# KiCad board STM32.kicad_pcb
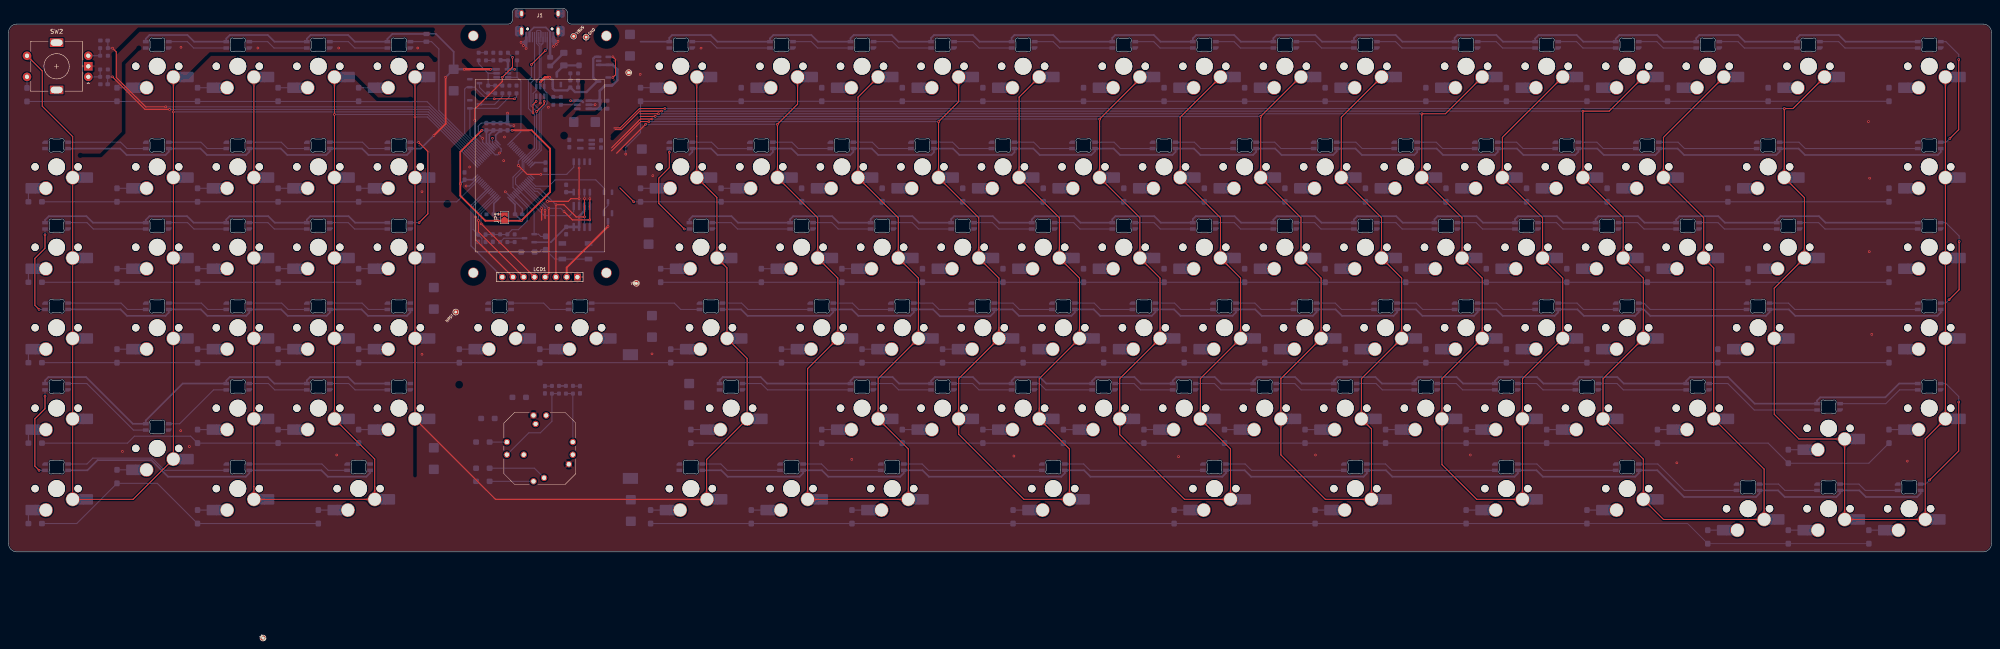
[diagram p0: board, top side]
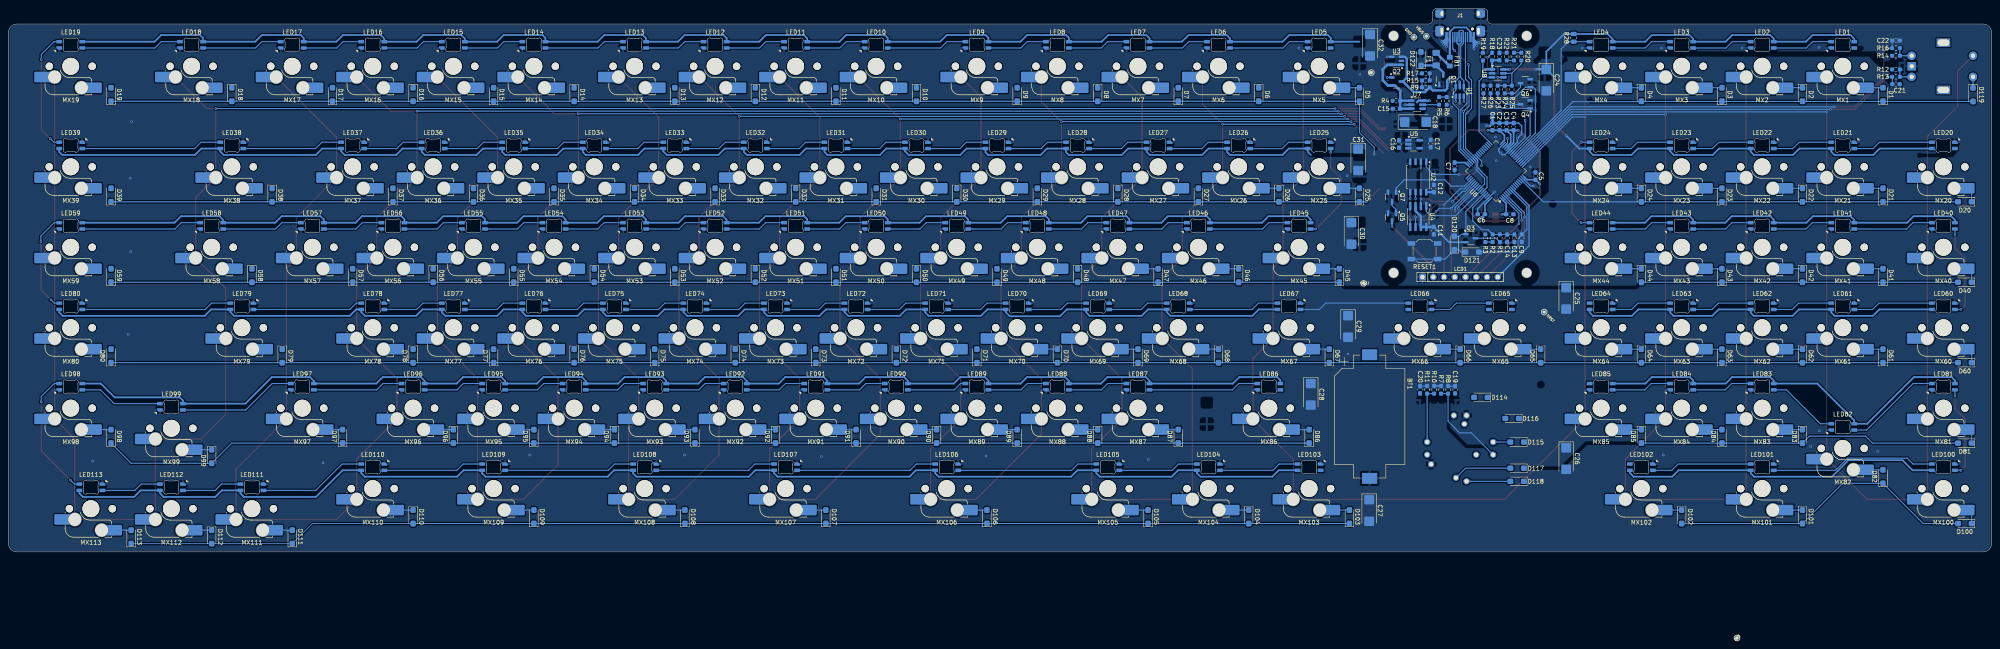
[diagram p1: board, bottom side, seen from below]

Outline 469.03 x 128.7 mm; copper layers: Top, Bottom. Coordinates in mm from the lower left corner of the outline.
Outline path: 0,123 0,2 arc(0.59,0.59) 2,0 467.03,0 arc(468.44,0.59) 469.03,2 469.03,123 arc(468.44,124.41) 467.03,125 133.18,125 arc(132.47,125.29) 132.18,126 132.18,127.7 arc(131.89,128.41) 131.18,128.7 120.18,128.7 arc(119.47,128.41) 119.18,127.7 119.18,126 arc(118.89,125.29) 118.18,125 2,125 arc(0.59,124.41) 0,123
Stack: Top 0.035mm / dielectric 1.51mm FR4 er 4.5 / Bottom 0.035mm

## Placement (name value [footprint] x y rotation side)
BT1  Battery_Cell  [BatteryHolder_Keystone_1060_1x2032]  147.1 32.05 270 bottom
C1  4.7u  [C_0603_1608Metric_Pad1.08x0.95mm_HandSolder]  118.04 100.7 90 bottom
C2  100n  [C_0603_1608Metric_Pad1.08x0.95mm_HandSolder]  116.37 100.7 90 bottom
C3  100n  [C_0603_1608Metric_Pad1.08x0.95mm_HandSolder]  114.71 100.7 90 bottom
C4  100n  [C_0603_1608Metric_Pad1.08x0.95mm_HandSolder]  113.04 100.7 90 bottom
C5  100n  [C_0603_1608Metric_Pad1.08x0.95mm_HandSolder]  107.88 89 90 bottom
C6  100n  [C_0603_1608Metric_Pad1.08x0.95mm_HandSolder]  120.68 79.95 0 bottom
C7  100n  [C_0603_1608Metric_Pad1.08x0.95mm_HandSolder]  127 91.34 270 bottom
C8  100n  [C_0603_1608Metric_Pad1.08x0.95mm_HandSolder]  113.93 79.95 180 bottom
C9  100n  [C_0603_1608Metric_Pad1.08x0.95mm_HandSolder]  111.1 74.29 90 bottom
C11  100n  [C_0603_1608Metric_Pad1.08x0.95mm_HandSolder]  131.9 76.09 270 bottom
C12  100n  [C_0603_1608Metric_Pad1.08x0.95mm_HandSolder]  131.9 86.07 90 bottom
C13  100n  [C_0603_1608Metric_Pad1.08x0.95mm_HandSolder]  112.84 74.29 90 bottom
C14  100n  [C_0603_1608Metric_Pad1.08x0.95mm_HandSolder]  114.56 74.29 90 bottom
C15  4.7u  [C_0603_1608Metric_Pad1.08x0.95mm_HandSolder]  140.75 104.95 0 bottom
C16  4.7u  [C_0603_1608Metric_Pad1.08x0.95mm_HandSolder]  140.15 96.6 90 bottom
C17  4.7u  [C_0603_1608Metric_Pad1.08x0.95mm_HandSolder]  132.65 96.7 270 bottom
C18  100u  [CP_EIA-6032-15_Kemet-U_Pad2.25x2.35mm_HandSolder]  136.25 101.8 180 bottom
C19  100n  [C_0603_1608Metric_Pad1.08x0.95mm_HandSolder]  126.88 38.39 90 bottom
C20  100n  [C_0603_1608Metric_Pad1.08x0.95mm_HandSolder]  135.17 38.4 90 bottom
C21  100nF  [C_0603_1608Metric_Pad1.08x0.95mm_HandSolder]  22.6 110.75 0 bottom
C22  100n  [C_0603_1608Metric_Pad1.08x0.95mm_HandSolder]  22.6 121.1 0 bottom
C23  100n  [C_0603_1608Metric_Pad1.08x0.95mm_HandSolder]  116.4 117.3 90 bottom
C24  100u  [CP_EIA-6032-15_Kemet-U_Pad2.25x2.35mm_HandSolder]  105.3 111.75 270 bottom
C25  100u  [CP_EIA-6032-15_Kemet-U_Pad2.25x2.35mm_HandSolder]  100.6 60.05 270 bottom
C26  100u  [CP_EIA-6032-15_Kemet-U_Pad2.25x2.35mm_HandSolder]  100.6 22.1 270 bottom
C27  100u  [CP_EIA-6032-15_Kemet-U_Pad2.25x2.35mm_HandSolder]  147.2 9.8 270 bottom
C28  100u  [CP_EIA-6032-15_Kemet-U_Pad2.25x2.35mm_HandSolder]  161 37.32 270 bottom
C29  100u  [CP_EIA-6032-15_Kemet-U_Pad2.25x2.35mm_HandSolder]  152.2 53.4 270 bottom
C30  100u  [CP_EIA-6032-15_Kemet-U_Pad2.25x2.35mm_HandSolder]  151.4 75.42 270 bottom
C31  100u  [CP_EIA-6032-15_Kemet-U_Pad2.25x2.35mm_HandSolder]  149.8 92.85 270 bottom
C32  100u  [CP_EIA-6032-15_Kemet-U_Pad2.25x2.35mm_HandSolder]  147 120 270 bottom
D1  D  [D_SOD-123]  25.67 108.32 90 bottom
D2  D  [D_SOD-123]  44.72 108.32 270 bottom
D3  D  [D_SOD-123]  63.77 108.32 90 bottom
D4  D  [D_SOD-123]  82.82 108.32 270 bottom
D5  D  [D_SOD-123]  149.49 108.32 90 bottom
D6  D  [D_SOD-123]  173.31 108.32 270 bottom
D7  D  [D_SOD-123]  192.36 108.32 90 bottom
D8  D  [D_SOD-123]  211.41 108.32 270 bottom
D9  D  [D_SOD-123]  230.46 108.32 90 bottom
D10  D  [D_SOD-123]  254.27 108.32 270 bottom
D11  D  [D_SOD-123]  273.32 108.32 90 bottom
D12  D  [D_SOD-123]  292.37 108.32 270 bottom
D13  D  [D_SOD-123]  311.42 108.32 90 bottom
D14  D  [D_SOD-123]  335.23 108.32 270 bottom
D15  D  [D_SOD-123]  354.28 108.32 90 bottom
D16  D  [D_SOD-123]  373.33 108.32 270 bottom
D17  D  [D_SOD-123]  392.38 108.32 90 bottom
D18  D  [D_SOD-123]  416.19 108.32 270 bottom
D19  D  [D_SOD-123]  444.77 108.32 90 bottom
D20  D  [D_SOD-123]  6.32 82.91 0 bottom
D21  D  [D_SOD-123]  25.67 84.51 90 bottom
D22  D  [D_SOD-123]  44.72 84.51 270 bottom
D23  D  [D_SOD-123]  63.77 84.51 90 bottom
D24  D  [D_SOD-123]  82.82 84.51 270 bottom
D25  D  [D_SOD-123]  149.49 84.51 90 bottom
D26  D  [D_SOD-123]  168.54 84.51 270 bottom
D27  D  [D_SOD-123]  187.59 84.51 90 bottom
D28  D  [D_SOD-123]  206.64 84.51 270 bottom
D29  D  [D_SOD-123]  225.69 84.51 90 bottom
D30  D  [D_SOD-123]  244.74 84.51 270 bottom
D31  D  [D_SOD-123]  263.79 84.51 90 bottom
D32  D  [D_SOD-123]  282.84 84.51 270 bottom
D33  D  [D_SOD-123]  301.89 84.51 90 bottom
D34  D  [D_SOD-123]  320.94 84.51 270 bottom
D35  D  [D_SOD-123]  339.99 84.51 90 bottom
D36  D  [D_SOD-123]  359.04 84.51 270 bottom
D37  D  [D_SOD-123]  378.09 84.51 90 bottom
D38  D  [D_SOD-123]  406.67 84.51 270 bottom
D39  D  [D_SOD-123]  444.77 84.51 90 bottom
D40  D  [D_SOD-123]  6.32 63.86 0 bottom
D41  D  [D_SOD-123]  25.67 65.46 90 bottom
D42  D  [D_SOD-123]  44.72 65.46 270 bottom
D43  D  [D_SOD-123]  63.77 65.46 90 bottom
D44  D  [D_SOD-123]  82.82 65.46 270 bottom
D45  D  [D_SOD-123]  154.26 65.46 90 bottom
D46  D  [D_SOD-123]  178.07 65.46 270 bottom
D47  D  [D_SOD-123]  197.12 65.46 90 bottom
D48  D  [D_SOD-123]  216.17 65.46 270 bottom
D49  D  [D_SOD-123]  235.22 65.46 90 bottom
D50  D  [D_SOD-123]  254.27 65.46 270 bottom
D51  D  [D_SOD-123]  273.32 65.46 90 bottom
D52  D  [D_SOD-123]  292.37 65.46 270 bottom
D53  D  [D_SOD-123]  311.42 65.46 90 bottom
D54  D  [D_SOD-123]  330.47 65.46 270 bottom
D55  D  [D_SOD-123]  349.52 65.46 90 bottom
D56  D  [D_SOD-123]  368.57 65.46 270 bottom
D57  D  [D_SOD-123]  387.62 65.46 90 bottom
D58  D  [D_SOD-123]  411.43 65.46 270 bottom
D59  D  [D_SOD-123]  444.77 65.46 90 bottom
D60  D  [D_SOD-123]  6.32 44.81 0 bottom
D61  D  [D_SOD-123]  25.67 46.41 90 bottom
D62  D  [D_SOD-123]  44.72 46.41 270 bottom
D63  D  [D_SOD-123]  63.77 46.41 90 bottom
D64  D  [D_SOD-123]  82.82 46.41 270 bottom
D65  D  [D_SOD-123]  106.63 46.41 270 bottom
D66  D  [D_SOD-123]  125.68 46.41 270 bottom
D67  D  [D_SOD-123]  156.64 46.41 90 bottom
D68  D  [D_SOD-123]  182.83 46.41 270 bottom
D69  D  [D_SOD-123]  201.88 46.41 90 bottom
D70  D  [D_SOD-123]  220.93 46.41 270 bottom
D71  D  [D_SOD-123]  239.98 46.41 90 bottom
D72  D  [D_SOD-123]  259.03 46.41 270 bottom
D73  D  [D_SOD-123]  278.08 46.41 90 bottom
D74  D  [D_SOD-123]  297.13 46.41 270 bottom
D75  D  [D_SOD-123]  316.18 46.41 90 bottom
D76  D  [D_SOD-123]  335.23 46.41 270 bottom
D77  D  [D_SOD-123]  354.28 46.41 90 bottom
D78  D  [D_SOD-123]  373.33 46.41 270 bottom
D79  D  [D_SOD-123]  404.29 46.41 270 bottom
D80  D  [D_SOD-123]  444.77 46.41 90 bottom
D81  D  [D_SOD-123]  6.32 25.76 0 bottom
D82  D  [D_SOD-123]  25.67 17.83 90 bottom
D83  D  [D_SOD-123]  44.72 27.36 270 bottom
D84  D  [D_SOD-123]  63.77 27.36 90 bottom
D85  D  [D_SOD-123]  82.82 27.36 270 bottom
D86  D  [D_SOD-123]  161.4 27.36 90 bottom
D87  D  [D_SOD-123]  192.36 27.36 90 bottom
D88  D  [D_SOD-123]  211.41 27.36 270 bottom
D89  D  [D_SOD-123]  230.46 27.36 90 bottom
D90  D  [D_SOD-123]  249.51 27.36 270 bottom
D91  D  [D_SOD-123]  268.56 27.36 90 bottom
D92  D  [D_SOD-123]  287.61 27.36 270 bottom
D93  D  [D_SOD-123]  306.66 27.36 90 bottom
D94  D  [D_SOD-123]  325.71 27.36 270 bottom
D95  D  [D_SOD-123]  344.76 27.36 90 bottom
D96  D  [D_SOD-123]  363.81 27.36 270 bottom
D97  D  [D_SOD-123]  390 27.36 90 bottom
D98  D  [D_SOD-123]  444.77 27.36 90 bottom
D99  D  [D_SOD-123]  420.96 22.59 270 bottom
D100  D  [D_SOD-123]  6.32 6.71 0 bottom
D101  D  [D_SOD-123]  44.72 8.31 270 bottom
D102  D  [D_SOD-123]  73.29 8.31 270 bottom
D103  D  [D_SOD-123]  151.87 8.31 90 bottom
D104  D  [D_SOD-123]  175.69 8.31 270 bottom
D105  D  [D_SOD-123]  199.5 8.31 90 bottom
D106  D  [D_SOD-123]  237.6 8.31 90 bottom
D107  D  [D_SOD-123]  275.7 8.31 90 bottom
D108  D  [D_SOD-123]  309.04 8.31 90 bottom
D109  D  [D_SOD-123]  344.76 8.31 90 bottom
D110  D  [D_SOD-123]  373.33 8.31 270 bottom
D111  D  [D_SOD-123]  401.91 3.54 90 bottom
D112  D  [D_SOD-123]  420.96 3.54 270 bottom
D113  D  [D_SOD-123]  440.01 3.54 90 bottom
D114  D  [D_SOD-123]  120.8 36.6 0 bottom
D115  D  [D_SOD-123]  112.2 26.01 0 bottom
D116  D  [D_SOD-123]  113.4 31.6 0 bottom
D117  D  [D_SOD-123]  112.2 19.81 0 bottom
D118  D  [D_SOD-123]  112.2 16.71 0 bottom
D119  D  [D_SOD-123]  4.38 108.27 270 bottom
D120  1N4148  [D_SOD-123]  127.05 73.13 90 bottom
D121  1N4148  [D_SOD-123]  122.85 71 180 bottom
D122  SMF5.0CA  [D_SOD-123]  134.95 116.81 90 bottom
F1  3.0A 1206 Polyfuse  [Fuse_1206_3216Metric_Pad1.42x1.75mm_HandSolder]  131.35 116.7 90 bottom
FB1  4A/0805  [Fuse_0805_2012Metric_Pad1.15x1.40mm_HandSolder]  128.12 116.1 90 bottom
J1  USB_C_Receptacle_USB2.0  [HRO-TYPE-C-31-M-12-HandSoldering-NoSBU]  125.68 126.1 180 top
JP1  SolderJumper_2_Open  [SolderJumper-2_P1.3mm_Open_TrianglePad1.0x1.5mm]  117.33 79.15 90 top
LCD1  -  [LCD-ST7789-2in]  125.68 94.14 180 top
LED1  MX_SK6803MINI-E  [LED_MX_6028R-ROT]  35.19 120.08 0 bottom
LED2  MX_SK6803MINI-E  [LED_MX_6028R-ROT]  54.24 120.08 0 bottom
LED3  MX_SK6803MINI-E  [LED_MX_6028R-ROT]  73.29 120.08 0 bottom
LED4  MX_SK6803MINI-E  [LED_MX_6028R-ROT]  92.34 120.08 0 bottom
LED5  MX_SK6803MINI-E  [LED_MX_6028R-ROT]  159.02 120.08 0 bottom
LED6  MX_SK6803MINI-E  [LED_MX_6028R-ROT]  182.83 120.08 0 bottom
LED7  MX_SK6803MINI-E  [LED_MX_6028R-ROT]  201.88 120.08 0 bottom
LED8  MX_SK6803MINI-E  [LED_MX_6028R-ROT]  220.93 120.08 0 bottom
LED9  MX_SK6803MINI-E  [LED_MX_6028R-ROT]  239.98 120.08 0 bottom
LED10  MX_SK6803MINI-E  [LED_MX_6028R-ROT]  263.79 120.08 0 bottom
LED11  MX_SK6803MINI-E  [LED_MX_6028R-ROT]  282.84 120.08 0 bottom
LED12  MX_SK6803MINI-E  [LED_MX_6028R-ROT]  301.89 120.08 0 bottom
LED13  MX_SK6803MINI-E  [LED_MX_6028R-ROT]  320.94 120.08 0 bottom
LED14  MX_SK6803MINI-E  [LED_MX_6028R-ROT]  344.76 120.08 0 bottom
LED15  MX_SK6803MINI-E  [LED_MX_6028R-ROT]  363.81 120.08 0 bottom
LED16  MX_SK6803MINI-E  [LED_MX_6028R-ROT]  382.86 120.08 0 bottom
LED17  MX_SK6803MINI-E  [LED_MX_6028R-ROT]  401.91 120.08 0 bottom
LED18  MX_SK6803MINI-E  [LED_MX_6028R-ROT]  425.72 120.08 0 bottom
LED19  MX_SK6803MINI-E  [LED_MX_6028R-ROT]  454.29 120.08 0 bottom
LED20  MX_SK6803MINI-E  [LED_MX_6028R]  11.38 96.27 0 bottom
LED21  MX_SK6803MINI-E  [LED_MX_6028R]  35.19 96.27 0 bottom
LED22  MX_SK6803MINI-E  [LED_MX_6028R]  54.24 96.27 0 bottom
LED23  MX_SK6803MINI-E  [LED_MX_6028R]  73.29 96.27 0 bottom
LED24  MX_SK6803MINI-E  [LED_MX_6028R]  92.34 96.27 0 bottom
LED25  MX_SK6803MINI-E  [LED_MX_6028R]  159.02 96.27 0 bottom
LED26  MX_SK6803MINI-E  [LED_MX_6028R]  178.07 96.27 0 bottom
LED27  MX_SK6803MINI-E  [LED_MX_6028R]  197.12 96.27 0 bottom
LED28  MX_SK6803MINI-E  [LED_MX_6028R]  216.17 96.27 0 bottom
LED29  MX_SK6803MINI-E  [LED_MX_6028R]  235.22 96.27 0 bottom
LED30  MX_SK6803MINI-E  [LED_MX_6028R]  254.27 96.27 0 bottom
LED31  MX_SK6803MINI-E  [LED_MX_6028R]  273.32 96.27 0 bottom
LED32  MX_SK6803MINI-E  [LED_MX_6028R]  292.37 96.27 0 bottom
LED33  MX_SK6803MINI-E  [LED_MX_6028R]  311.42 96.27 0 bottom
LED34  MX_SK6803MINI-E  [LED_MX_6028R]  330.47 96.27 0 bottom
LED35  MX_SK6803MINI-E  [LED_MX_6028R]  349.52 96.27 0 bottom
LED36  MX_SK6803MINI-E  [LED_MX_6028R]  368.57 96.27 0 bottom
LED37  MX_SK6803MINI-E  [LED_MX_6028R]  387.62 96.27 0 bottom
LED38  MX_SK6803MINI-E  [LED_MX_6028R]  416.19 96.27 0 bottom
LED39  MX_SK6803MINI-E  [LED_MX_6028R]  454.29 96.27 0 bottom
LED40  MX_SK6803MINI-E  [LED_MX_6028R-ROT]  11.38 77.22 0 bottom
LED41  MX_SK6803MINI-E  [LED_MX_6028R-ROT]  35.19 77.22 0 bottom
LED42  MX_SK6803MINI-E  [LED_MX_6028R-ROT]  54.24 77.22 0 bottom
LED43  MX_SK6803MINI-E  [LED_MX_6028R-ROT]  73.29 77.22 0 bottom
LED44  MX_SK6803MINI-E  [LED_MX_6028R-ROT]  92.34 77.22 0 bottom
LED45  MX_SK6803MINI-E  [LED_MX_6028R-ROT]  163.78 77.22 0 bottom
LED46  MX_SK6803MINI-E  [LED_MX_6028R-ROT]  187.59 77.22 0 bottom
LED47  MX_SK6803MINI-E  [LED_MX_6028R-ROT]  206.64 77.22 0 bottom
LED48  MX_SK6803MINI-E  [LED_MX_6028R-ROT]  225.69 77.22 0 bottom
LED49  MX_SK6803MINI-E  [LED_MX_6028R-ROT]  244.74 77.22 0 bottom
LED50  MX_SK6803MINI-E  [LED_MX_6028R-ROT]  263.79 77.22 0 bottom
LED51  MX_SK6803MINI-E  [LED_MX_6028R-ROT]  282.84 77.22 0 bottom
LED52  MX_SK6803MINI-E  [LED_MX_6028R-ROT]  301.89 77.22 0 bottom
LED53  MX_SK6803MINI-E  [LED_MX_6028R-ROT]  320.94 77.22 0 bottom
LED54  MX_SK6803MINI-E  [LED_MX_6028R-ROT]  339.99 77.22 0 bottom
LED55  MX_SK6803MINI-E  [LED_MX_6028R-ROT]  359.04 77.22 0 bottom
LED56  MX_SK6803MINI-E  [LED_MX_6028R-ROT]  378.09 77.22 0 bottom
LED57  MX_SK6803MINI-E  [LED_MX_6028R-ROT]  397.14 77.22 0 bottom
LED58  MX_SK6803MINI-E  [LED_MX_6028R-ROT]  420.96 77.22 0 bottom
LED59  MX_SK6803MINI-E  [LED_MX_6028R-ROT]  454.29 77.22 0 bottom
LED60  MX_SK6803MINI-E  [LED_MX_6028R]  11.38 58.17 0 bottom
LED61  MX_SK6803MINI-E  [LED_MX_6028R]  35.19 58.17 0 bottom
LED62  MX_SK6803MINI-E  [LED_MX_6028R]  54.24 58.17 0 bottom
LED63  MX_SK6803MINI-E  [LED_MX_6028R]  73.29 58.17 0 bottom
LED64  MX_SK6803MINI-E  [LED_MX_6028R]  92.34 58.17 0 bottom
LED65  MX_SK6803MINI-E  [LED_MX_6028R]  116.16 58.17 0 bottom
LED66  MX_SK6803MINI-E  [LED_MX_6028R]  135.21 58.17 0 bottom
LED67  MX_SK6803MINI-E  [LED_MX_6028R]  166.16 58.17 0 bottom
LED68  MX_SK6803MINI-E  [LED_MX_6028R]  192.36 58.17 0 bottom
LED69  MX_SK6803MINI-E  [LED_MX_6028R]  211.41 58.17 0 bottom
LED70  MX_SK6803MINI-E  [LED_MX_6028R]  230.46 58.17 0 bottom
LED71  MX_SK6803MINI-E  [LED_MX_6028R]  249.51 58.17 0 bottom
LED72  MX_SK6803MINI-E  [LED_MX_6028R]  268.56 58.17 0 bottom
LED73  MX_SK6803MINI-E  [LED_MX_6028R]  287.61 58.17 0 bottom
LED74  MX_SK6803MINI-E  [LED_MX_6028R]  306.66 58.17 0 bottom
LED75  MX_SK6803MINI-E  [LED_MX_6028R]  325.71 58.17 0 bottom
LED76  MX_SK6803MINI-E  [LED_MX_6028R]  344.76 58.17 0 bottom
LED77  MX_SK6803MINI-E  [LED_MX_6028R]  363.81 58.17 0 bottom
LED78  MX_SK6803MINI-E  [LED_MX_6028R]  382.86 58.17 0 bottom
LED79  MX_SK6803MINI-E  [LED_MX_6028R]  413.81 58.17 0 bottom
LED80  MX_SK6803MINI-E  [LED_MX_6028R]  454.29 58.17 0 bottom
LED81  MX_SK6803MINI-E  [LED_MX_6028R-ROT]  11.38 39.12 0 bottom
LED82  MX_SK6803MINI-E  [LED_MX_6028R-ROT]  35.19 29.59 0 bottom
LED83  MX_SK6803MINI-E  [LED_MX_6028R-ROT]  54.24 39.12 0 bottom
LED84  MX_SK6803MINI-E  [LED_MX_6028R-ROT]  73.29 39.12 0 bottom
LED85  MX_SK6803MINI-E  [LED_MX_6028R-ROT]  92.34 39.12 0 bottom
LED86  MX_SK6803MINI-E  [LED_MX_6028R-ROT]  170.92 39.12 0 bottom
LED87  MX_SK6803MINI-E  [LED_MX_6028R-ROT]  201.88 39.12 0 bottom
LED88  MX_SK6803MINI-E  [LED_MX_6028R-ROT]  220.93 39.12 0 bottom
LED89  MX_SK6803MINI-E  [LED_MX_6028R-ROT]  239.98 39.12 0 bottom
LED90  MX_SK6803MINI-E  [LED_MX_6028R-ROT]  259.03 39.12 0 bottom
LED91  MX_SK6803MINI-E  [LED_MX_6028R-ROT]  278.08 39.12 0 bottom
LED92  MX_SK6803MINI-E  [LED_MX_6028R-ROT]  297.13 39.12 0 bottom
LED93  MX_SK6803MINI-E  [LED_MX_6028R-ROT]  316.18 39.12 0 bottom
LED94  MX_SK6803MINI-E  [LED_MX_6028R-ROT]  335.23 39.12 0 bottom
LED95  MX_SK6803MINI-E  [LED_MX_6028R-ROT]  354.28 39.12 0 bottom
LED96  MX_SK6803MINI-E  [LED_MX_6028R-ROT]  373.33 39.12 0 bottom
LED97  MX_SK6803MINI-E  [LED_MX_6028R-ROT]  399.52 39.12 0 bottom
LED98  MX_SK6803MINI-E  [LED_MX_6028R-ROT]  454.29 39.12 0 bottom
LED99  MX_SK6803MINI-E  [LED_MX_6028R-ROT]  430.48 34.35 0 bottom
LED100  MX_SK6803MINI-E  [LED_MX_6028R]  11.38 20.07 0 bottom
LED101  MX_SK6803MINI-E  [LED_MX_6028R]  54.24 20.07 0 bottom
LED102  MX_SK6803MINI-E  [LED_MX_6028R]  82.82 20.07 0 bottom
LED103  MX_SK6803MINI-E  [LED_MX_6028R]  161.4 20.07 0 bottom
LED104  MX_SK6803MINI-E  [LED_MX_6028R]  185.21 20.07 0 bottom
LED105  MX_SK6803MINI-E  [LED_MX_6028R]  209.02 20.07 0 bottom
LED106  MX_SK6803MINI-E  [LED_MX_6028R]  247.12 20.07 0 bottom
LED107  MX_SK6803MINI-E  [LED_MX_6028R]  285.22 20.07 0 bottom
LED108  MX_SK6803MINI-E  [LED_MX_6028R]  318.56 20.07 0 bottom
LED109  MX_SK6803MINI-E  [LED_MX_6028R]  354.28 20.07 0 bottom
LED110  MX_SK6803MINI-E  [LED_MX_6028R]  382.86 20.07 0 bottom
LED111  MX_SK6803MINI-E  [LED_MX_6028R]  411.43 15.31 0 bottom
LED112  MX_SK6803MINI-E  [LED_MX_6028R]  430.48 15.31 0 bottom
LED113  MX_SK6803MINI-E  [LED_MX_6028R]  449.53 15.31 0 bottom
MX1  MX_SW_HS  [SW_MX_HS_1u]  35.19 115 0 bottom
MX2  MX_SW_HS  [SW_MX_HS_1u]  54.24 115 0 bottom
MX3  MX_SW_HS  [SW_MX_HS_1u]  73.29 115 0 bottom
MX4  MX_SW_HS  [SW_MX_HS_1u]  92.34 115 0 bottom
MX5  MX_SW_HS  [SW_MX_HS_1u]  159.02 115 0 bottom
MX6  MX_SW_HS  [SW_MX_HS_1u]  182.83 115 0 bottom
MX7  MX_SW_HS  [SW_MX_HS_1u]  201.88 115 0 bottom
MX8  MX_SW_HS  [SW_MX_HS_1u]  220.93 115 0 bottom
MX9  MX_SW_HS  [SW_MX_HS_1u]  239.98 115 0 bottom
MX10  MX_SW_HS  [SW_MX_HS_1u]  263.79 115 0 bottom
MX11  MX_SW_HS  [SW_MX_HS_1u]  282.84 115 0 bottom
MX12  MX_SW_HS  [SW_MX_HS_1u]  301.89 115 0 bottom
MX13  MX_SW_HS  [SW_MX_HS_1u]  320.94 115 0 bottom
MX14  MX_SW_HS  [SW_MX_HS_1u]  344.76 115 0 bottom
MX15  MX_SW_HS  [SW_MX_HS_1u]  363.81 115 0 bottom
MX16  MX_SW_HS  [SW_MX_HS_1u]  382.86 115 0 bottom
MX17  MX_SW_HS  [SW_MX_HS_1u]  401.91 115 0 bottom
MX18  MX_SW_HS  [SW_MX_HS_1u]  425.72 115 0 bottom
MX19  MX_SW_HS  [SW_MX_HS_1u]  454.29 115 0 bottom
MX20  MX_SW_HS  [SW_MX_HS_1u]  11.38 91.19 0 bottom
MX21  MX_SW_HS  [SW_MX_HS_1u]  35.19 91.19 0 bottom
MX22  MX_SW_HS  [SW_MX_HS_1u]  54.24 91.19 0 bottom
MX23  MX_SW_HS  [SW_MX_HS_1u]  73.29 91.19 0 bottom
MX24  MX_SW_HS  [SW_MX_HS_1u]  92.34 91.19 0 bottom
MX25  MX_SW_HS  [SW_MX_HS_1u]  159.02 91.19 0 bottom
MX26  MX_SW_HS  [SW_MX_HS_1u]  178.07 91.19 0 bottom
MX27  MX_SW_HS  [SW_MX_HS_1u]  197.12 91.19 0 bottom
MX28  MX_SW_HS  [SW_MX_HS_1u]  216.17 91.19 0 bottom
MX29  MX_SW_HS  [SW_MX_HS_1u]  235.22 91.19 0 bottom
MX30  MX_SW_HS  [SW_MX_HS_1u]  254.27 91.19 0 bottom
MX31  MX_SW_HS  [SW_MX_HS_1u]  273.32 91.19 0 bottom
MX32  MX_SW_HS  [SW_MX_HS_1u]  292.37 91.19 0 bottom
MX33  MX_SW_HS  [SW_MX_HS_1u]  311.42 91.19 0 bottom
MX34  MX_SW_HS  [SW_MX_HS_1u]  330.47 91.19 0 bottom
MX35  MX_SW_HS  [SW_MX_HS_1u]  349.52 91.19 0 bottom
MX36  MX_SW_HS  [SW_MX_HS_1u]  368.57 91.19 0 bottom
MX37  MX_SW_HS  [SW_MX_HS_1u]  387.62 91.19 0 bottom
MX38  MX_SW_HS  [SW_MX_HS_2u]  416.19 91.19 0 bottom
MX39  MX_SW_HS  [SW_MX_HS_1u]  454.29 91.19 0 bottom
MX40  MX_SW_HS  [SW_MX_HS_1u]  11.38 72.14 0 bottom
MX41  MX_SW_HS  [SW_MX_HS_1u]  35.19 72.14 0 bottom
MX42  MX_SW_HS  [SW_MX_HS_1u]  54.24 72.14 0 bottom
MX43  MX_SW_HS  [SW_MX_HS_1u]  73.29 72.14 0 bottom
MX44  MX_SW_HS  [SW_MX_HS_1u]  92.34 72.14 0 bottom
MX45  MX_SW_HS  [SW_MX_HS_1.5u]  163.78 72.14 0 bottom
MX46  MX_SW_HS  [SW_MX_HS_1u]  187.59 72.14 0 bottom
MX47  MX_SW_HS  [SW_MX_HS_1u]  206.64 72.14 0 bottom
MX48  MX_SW_HS  [SW_MX_HS_1u]  225.69 72.14 0 bottom
MX49  MX_SW_HS  [SW_MX_HS_1u]  244.74 72.14 0 bottom
MX50  MX_SW_HS  [SW_MX_HS_1u]  263.79 72.14 0 bottom
MX51  MX_SW_HS  [SW_MX_HS_1u]  282.84 72.14 0 bottom
MX52  MX_SW_HS  [SW_MX_HS_1u]  301.89 72.14 0 bottom
MX53  MX_SW_HS  [SW_MX_HS_1u]  320.94 72.14 0 bottom
MX54  MX_SW_HS  [SW_MX_HS_1u]  339.99 72.14 0 bottom
MX55  MX_SW_HS  [SW_MX_HS_1u]  359.04 72.14 0 bottom
MX56  MX_SW_HS  [SW_MX_HS_1u]  378.09 72.14 0 bottom
MX57  MX_SW_HS  [SW_MX_HS_1u]  397.14 72.14 0 bottom
MX58  MX_SW_HS  [SW_MX_HS_1.5u]  420.96 72.14 0 bottom
MX59  MX_SW_HS  [SW_MX_HS_1u]  454.29 72.14 0 bottom
MX60  MX_SW_HS  [SW_MX_HS_1u]  11.38 53.09 0 bottom
MX61  MX_SW_HS  [SW_MX_HS_1u]  35.19 53.09 0 bottom
MX62  MX_SW_HS  [SW_MX_HS_1u]  54.24 53.09 0 bottom
MX63  MX_SW_HS  [SW_MX_HS_1u]  73.29 53.09 0 bottom
MX64  MX_SW_HS  [SW_MX_HS_1u]  92.34 53.09 0 bottom
MX65  MX_SW_HS  [SW_MX_HS_1u]  116.16 53.09 0 bottom
MX66  MX_SW_HS  [SW_MX_HS_1u]  135.21 53.09 0 bottom
MX67  MX_SW_HS  [SW_MX_HS_1.75u]  166.16 53.09 0 bottom
MX68  MX_SW_HS  [SW_MX_HS_1u]  192.36 53.09 0 bottom
MX69  MX_SW_HS  [SW_MX_HS_1u]  211.41 53.09 0 bottom
MX70  MX_SW_HS  [SW_MX_HS_1u]  230.46 53.09 0 bottom
MX71  MX_SW_HS  [SW_MX_HS_1u]  249.51 53.09 0 bottom
MX72  MX_SW_HS  [SW_MX_HS_1u]  268.56 53.09 0 bottom
MX73  MX_SW_HS  [SW_MX_HS_1u]  287.61 53.09 0 bottom
MX74  MX_SW_HS  [SW_MX_HS_1u]  306.66 53.09 0 bottom
MX75  MX_SW_HS  [SW_MX_HS_1u]  325.71 53.09 0 bottom
MX76  MX_SW_HS  [SW_MX_HS_1u]  344.76 53.09 0 bottom
MX77  MX_SW_HS  [SW_MX_HS_1u]  363.81 53.09 0 bottom
MX78  MX_SW_HS  [SW_MX_HS_1u]  382.86 53.09 0 bottom
MX79  MX_SW_HS  [SW_MX_HS_2.25u]  413.81 53.09 0 bottom
MX80  MX_SW_HS  [SW_MX_HS_1u]  454.29 53.09 0 bottom
MX81  MX_SW_HS  [SW_MX_HS_1u]  11.38 34.04 0 bottom
MX82  MX_SW_HS  [SW_MX_HS_2u_Vertical]  35.19 24.51 0 bottom
MX83  MX_SW_HS  [SW_MX_HS_1u]  54.24 34.04 0 bottom
MX84  MX_SW_HS  [SW_MX_HS_1u]  73.29 34.04 0 bottom
MX85  MX_SW_HS  [SW_MX_HS_1u]  92.34 34.04 0 bottom
MX86  MX_SW_HS  [SW_MX_HS_2.25u]  170.92 34.04 0 bottom
MX87  MX_SW_HS  [SW_MX_HS_1u]  201.88 34.04 0 bottom
MX88  MX_SW_HS  [SW_MX_HS_1u]  220.93 34.04 0 bottom
MX89  MX_SW_HS  [SW_MX_HS_1u]  239.98 34.04 0 bottom
MX90  MX_SW_HS  [SW_MX_HS_1u]  259.03 34.04 0 bottom
MX91  MX_SW_HS  [SW_MX_HS_1u]  278.08 34.04 0 bottom
MX92  MX_SW_HS  [SW_MX_HS_1u]  297.13 34.04 0 bottom
MX93  MX_SW_HS  [SW_MX_HS_1u]  316.18 34.04 0 bottom
MX94  MX_SW_HS  [SW_MX_HS_1u]  335.23 34.04 0 bottom
MX95  MX_SW_HS  [SW_MX_HS_1u]  354.28 34.04 0 bottom
MX96  MX_SW_HS  [SW_MX_HS_1u]  373.33 34.04 0 bottom
MX97  MX_SW_HS  [SW_MX_HS_1.75u]  399.52 34.04 0 bottom
MX98  MX_SW_HS  [SW_MX_HS_1u]  454.29 34.04 0 bottom
MX99  MX_SW_HS  [SW_MX_HS_1u]  430.48 29.27 0 bottom
MX100  MX_SW_HS  [SW_MX_HS_1u]  11.38 14.99 0 bottom
MX101  MX_SW_HS  [SW_MX_HS_1u]  54.24 14.99 0 bottom
MX102  MX_SW_HS  [SW_MX_HS_2u]  82.82 14.99 0 bottom
MX103  MX_SW_HS  [SW_MX_HS_1.25u]  161.4 14.99 0 bottom
MX104  MX_SW_HS  [SW_MX_HS_1.25u]  185.21 14.99 0 bottom
MX105  MX_SW_HS  [SW_MX_HS_1.25u]  209.02 14.99 0 bottom
MX106  MX_SW_HS  [SW_MX_HS_2.75u]  247.12 14.99 0 bottom
MX107  MX_SW_HS  [SW_MX_HS_1.25u]  285.22 14.99 0 bottom
MX108  MX_SW_HS  [SW_MX_HS_2.25u]  318.56 14.99 0 bottom
MX109  MX_SW_HS  [SW_MX_HS_1.5u]  354.28 14.99 0 bottom
MX110  MX_SW_HS  [SW_MX_HS_1.5u]  382.86 14.99 0 bottom
MX111  MX_SW_HS  [SW_MX_HS_1u]  411.43 10.22 0 bottom
MX112  MX_SW_HS  [SW_MX_HS_1u]  430.48 10.22 0 bottom
MX113  MX_SW_HS  [SW_MX_HS_1u]  449.53 10.22 0 bottom
Q1  AO3401A  [SOT-23-3]  129.7 111.81 90 bottom
Q2  AO3401A  [SOT-23-3]  140.71 111.4 180 bottom
Q3  MMUN2133LT1G  [SOT-23-3]  123.2 74.29 180 bottom
Q4  2N7002  [SOT-23-3]  110.26 106 0 bottom
Q5  AO3401A  [SOT-23]  141.8 79.26 270 bottom
Q6  2N7002  [SOT-23-3]  110.26 111 0 bottom
Q7  MMUN2233LT1G  [SOT-23-3]  141.8 84.04 270 bottom
R1  120  [R_0603_1608Metric_Pad0.98x0.95mm_HandSolder]  116.28 74.29 90 bottom
R2  68k  [R_0603_1608Metric_Pad0.98x0.95mm_HandSolder]  118 74.29 90 bottom